# KiCad board qazikat.kicad_pcb (continued)
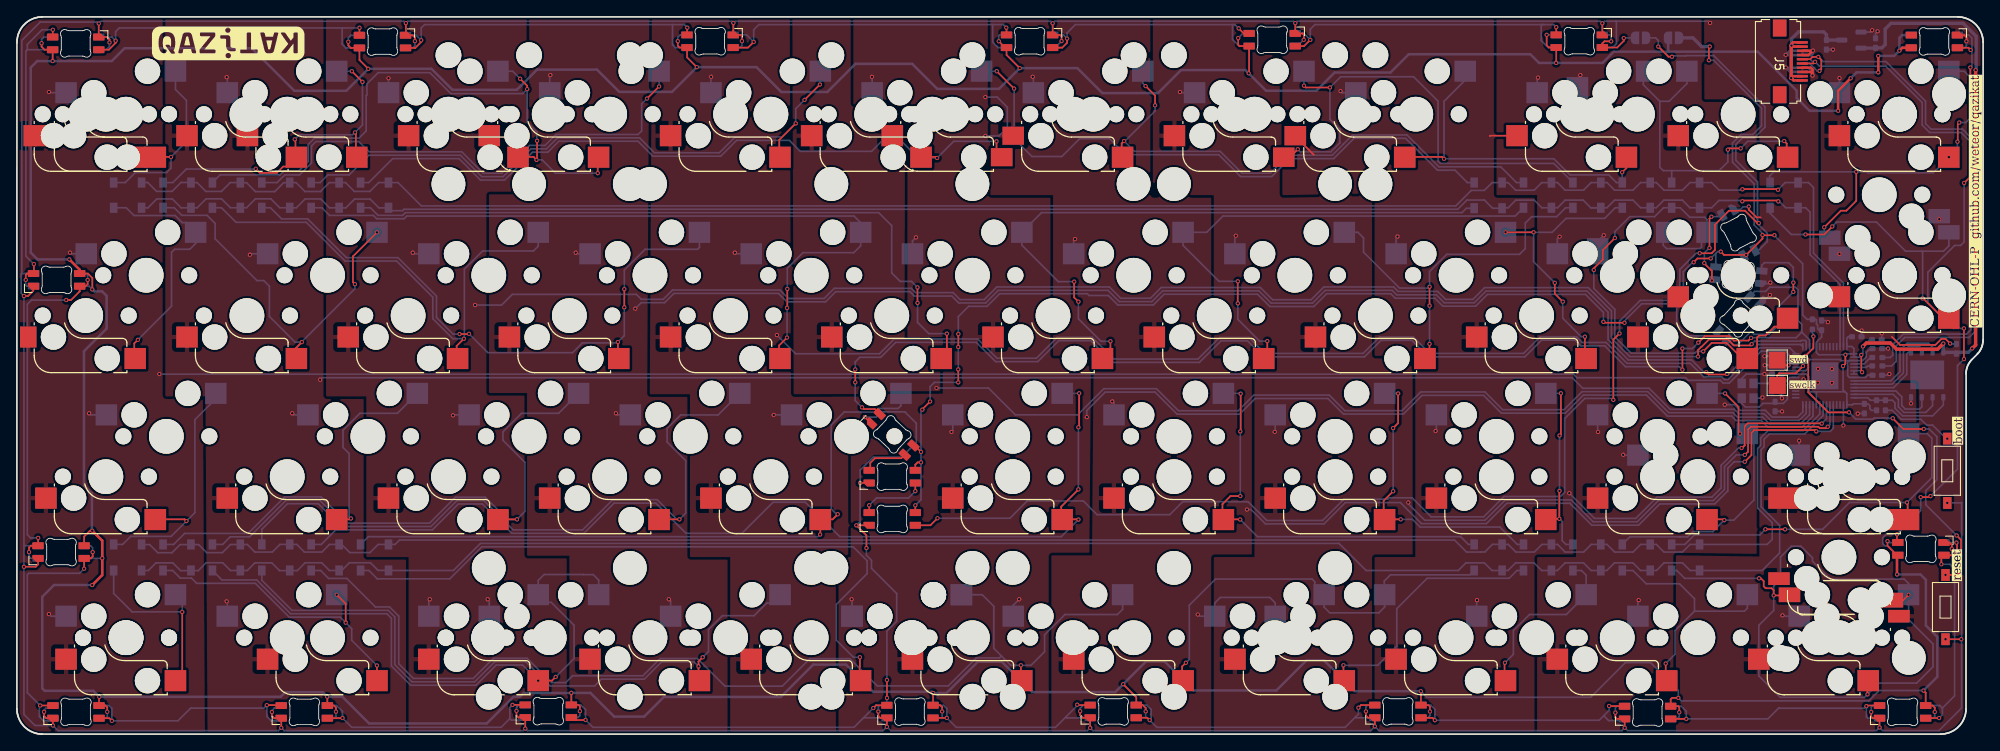
[diagram p0: board, top side]
## Routing (per net, layer and track width the routed paths; a pad name or vN(x,y) marks a point on that pad's centre or on a via; arc(x,y) is an arc through that point) (continued)
D4_3: length 83.4
  Top w0.2: v1(78.29,25.4) 75.77,25.4
  Bottom w0.2: D112.2 28.94,24.21 31.97,27.25 35.62,27.25 38.32,24.55 48.92,24.55 51.99,27.62 55.17,27.62 58.64,24.15 66.83,24.15 70.4,27.72 75.66,27.72 77.98,25.4 v1(78.29,25.4) 79.03,26.14 79.03,32.34 76.83,34.54 76.83,36.14 78.43,37.74 82.85,37.74 MX30.2
D4_4: length 81.3
  Top w0.2: 80.53,6.35 80.53,8 v1(80.54,8.01) 80.54,8.59 v1(81.03,9.08)
  Bottom w0.2: D4.2 28.94,18.2 32.5,14.63 43.87,14.63 44.65,13.86 44.65,8.22 46.69,6.18 54.08,6.18 56.47,8.57 60.12,8.57 63,5.69 68.26,5.69 69.07,6.5 74.13,6.5 76.17,8.54 80.01,8.54 v1(80.54,8.01) ; v1(81.03,9.08) 81.72,9.77 81.72,12.36 83.36,14 87.1,14 88.6,15.5 89.19,15.5 MX42.2
D5_1: length 75.8
  Top w0.2: 90.08,68.28 90.08,70.28 v1(92.03,72.23) ; v1(94.89,76.82) v1(93.07,75.01)
  Bottom w0.2: D137.2 35.84,65.23 36.74,66.13 39.26,66.13 41.59,68.46 52.4,68.46 54.93,65.93 57.46,65.93 60.75,69.22 62.58,69.22 63.87,70.52 73.56,70.52 73.57,70.52 75.34,68.75 83,68.75 84.87,70.62 90.42,70.62 v1(92.03,72.23) 92.03,73.97 v1(93.07,75.01) ; MX5.2 94.93,76.87 v1(94.89,76.82)
D5_2: length 89.5
  Top w0.2: 90.06,44.45 90.06,45.96 v1(91,46.9) ; v1(91,50.4) 91.03,50.43 v1(91.03,52.65)
  Bottom w0.2: D125.2 36.04,62.25 36.95,61.34 42.11,61.34 42.5,60.95 45.75,60.95 46.07,61.27 98.91,61.27 99.7,60.48 MX19.2 99.7,57.75 98.89,56.94 92.88,56.94 91.03,55.09 v1(91.03,52.65) ; v1(91,50.4) v1(91,46.9)
D5_3: length 80.6
  Top w0.2: v1(94.91,23.6) 94.93,23.62 MX69.2 ; 94.82,25.4 96.39,25.4 v1(96.99,26)
  Bottom w0.2: v1(96.99,26) 96.86,26 96.22,26.64 96.22,36.55 97.76,38.09 101.44,38.09 101.86,38.51 104.13,38.51 104.46,38.84 MX31.2 ; v1(94.91,23.6) 94.66,23.35 41.53,23.35 D113.2
D5_4: length 79.8
  Top w0.2: 99.58,6.35 99.58,7.99 99.6,8 v1(99.6,9.09)
  Bottom w0.2: D5.2 41.59,19.35 42.58,18.36 51.14,18.36 54.93,22.15 98.81,22.15 100.46,20.5 100.46,18.97 96.83,15.34 96.83,11.1 98.84,9.09 v1(99.6,9.09)
D6_1: length 87.9
  Top w0.2: 116.25,68.1 115.75,68.6 v1(115.75,70.1) ; 106.73,68.26 108.61,68.26 v1(108.73,68.14)
  Bottom w0.2: D6.2 41.57,65.23 44.4,68.06 52.24,68.06 54.77,65.53 57.62,65.53 60.91,68.82 62.74,68.82 64.04,70.11 73.39,70.11 75.15,68.35 83.17,68.35 85.04,70.22 91.27,70.22 92.57,68.92 100.99,68.92 102.38,70.31 104.34,70.31 106.51,68.14 v1(108.73,68.14) 110.7,70.11 115.74,70.11 v1(115.75,70.1)
D6_2: length 84.6
  Top w0.2: v1(106.42,51) 106.41,51.01 v1(106.41,52.83) ; 109.11,44.45 109.88,45.22 v1(109.88,47.36)
  Bottom w0.2: v1(109.88,47.36) 107.75,47.36 106.42,48.69 v1(106.42,51) ; v1(106.41,52.83) 105.7,53.54 104.37,53.54 103.37,54.54 103.37,60.13 101.83,61.67 45.9,61.67 45.58,61.35 42.67,61.35 41.77,62.25 D126.2
D7_1: length 72.6
  Top w0.2: v1(115.78,78.39) v1(117.83,76.34)
  Bottom w0.2: D139.2 171.39,65.23 169.93,66.69 167.86,66.69 164.09,70.46 157.99,70.46 155.59,68.06 150.4,68.06 148.28,65.94 144.59,65.94 142.01,68.52 131.01,68.52 129.12,70.41 125.57,70.41 123.47,68.31 119.94,68.31 117.83,70.42 v1(117.83,76.34) ; MX6.2 v1(115.78,78.39)
D7_2: length 76.6
  Top w0.2: v1(129.21,46.46) 129.21,45.5 128.16,44.45 ; v1(125.43,51.14) 124.93,51.64 v1(124.93,53.51)
  Bottom w0.2: v1(124.93,53.51) 123.06,53.51 118.75,57.82 MX20.2 ; D127.2 171.27,62.19 170.75,61.67 121.07,61.67 MX20.2 ; 118.38,59.71 MX20.2 ; v1(129.21,46.46) 128.09,46.46 125.43,49.12 v1(125.43,51.14)
D7_3: length 120.9
  Top w0.2: v1(125.43,25.37) 125.4,25.4 123.4,25.4 123.4,26.91 v1(125.43,28.94) ; v1(125.52,40.3) 125.52,36.37 v1(125.43,36.28)
  Bottom w0.2: D115.2 35.96,22.43 37.68,24.15 49.09,24.15 52.16,27.22 55,27.22 58.47,23.75 67,23.75 70.57,27.32 75.49,27.32 79.06,23.75 85.67,23.75 89.34,27.42 93.16,27.42 97.23,23.35 123.41,23.35 v1(125.43,25.37) ; v1(125.43,28.94) v1(125.43,36.28) ; v1(125.52,40.3) 125.52,40.3 MX32.2
D7_4: length 131.9
  Top w0.2: v1(118.63,8.14) 118.63,6.35 118.63,6.35
  Bottom w0.2: 116.33,9.24 115.43,10.14 115.43,15.12 114.07,16.48 MX49.2 ; 116.33,9.24 117.43,8.14 v1(118.63,8.14) 119.83,8.14 121.43,9.74 121.43,11.74 123.83,14.14 130.03,14.14 130.65,14.76 MX43.2 ; 116.33,9.24 116.1,9.01 113.36,9.01 110.05,5.7 101.66,5.7 98.44,8.92 93.69,8.92 90.44,5.67 83.67,5.67 80.4,8.94 76,8.94 73.96,6.9 65.66,6.9 64.85,6.09 63.17,6.09 60.29,8.97 56.31,8.97 53.92,6.58 46.85,6.58 45.12,8.31 45.12,13.95 44.04,15.03 42.36,15.03 38.98,18.41 36.83,18.41 35.89,19.35 D7.2
D8_1: length 65.4
  Top w0.2: 130.54,68.26 130.54,69.85 v1(130.83,70.14) ; v1(133.37,76.64) 134.49,75.52 v1(134.49,74.36)
  Bottom w0.2: D140.2 177.19,65.23 175.33,67.09 168.02,67.09 164.25,70.86 157.82,70.86 156.73,69.77 156.73,69.76 155.43,68.46 150.23,68.46 148.11,66.34 144.76,66.34 142.18,68.92 132.05,68.92 v1(130.83,70.14) 130.94,70.14 134.49,73.69 v1(134.49,74.36) ; MX7.2 133.03,76.98 v1(133.37,76.64)
D8_2: length 62.5
  Top w0.2: v1(147.75,46.47) 147.75,44.99 147.21,44.45 ; v1(144.26,53.55) 144.26,50.94 v1(144.27,50.94)
  Bottom w0.2: v1(147.75,46.47) 146.85,46.47 144.27,49.05 v1(144.27,50.94) ; D128.2 177.04,61.27 142.51,61.27 140.59,59.34 MX21.2 137.8,57.79 142.04,53.55 v1(144.26,53.55)
D8_3: length 49.5
  Top w0.2: v1(144.56,35.8) 144.6,35.84 v1(144.6,40.26) ; v1(144.55,25.38) 144.53,25.4 142.45,25.4 142.45,27.2 143.4,28.15 v1(144.56,28.15)
  Bottom w0.2: D116.2 171.51,22.43 170.59,23.35 146.58,23.35 v1(144.55,25.38) ; v1(144.56,28.15) v1(144.56,35.8) ; MX33.2 144.56,40.3 v1(144.6,40.26)
D8_4: length 50.9
  Top w0.2: v1(138.13,8.44) 137.68,7.99 137.68,6.35
  Bottom w0.2: v1(138.13,8.44) 138.53,8.84 138.53,15.24 141.63,18.34 153.03,18.34 153.36,18.01 153.36,17.59 MX50.2 154.47,15 155.13,14.34 160.93,14.34 161.61,15.02 MX44.2 161.57,16.52 161.57,18.1 162.3,18.83 171.67,18.83 D8.2
D9_1: length 58.1
  Top w0.2: 149.61,68.24 150.42,68.24 v1(151.35,69.17) ; v1(155.15,76.47) 152.3,76.47 v1(152.08,76.69)
  Bottom w0.2: MX8.2 v1(152.08,76.69) ; D141.2 181.6,67.49 168.19,67.49 167.93,67.75 167.93,74.85 165.04,77.74 156.42,77.74 v1(155.15,76.47) 155.15,72.72 156.33,71.54 156.33,69.93 155.26,68.86 151.66,68.86 v1(151.35,69.17)
D9_2: length 46.2
  Top w0.2: 166.26,44.45 166.92,45.11 v1(166.92,46.15) ; v1(166.92,52.91) v1(166.92,50.67)
  Bottom w0.2: MX22.2 158.46,59.34 159.12,58.68 159.12,57 163.37,52.75 166.76,52.75 v1(166.92,52.91) 166.92,54.71 168.95,56.74 177.55,56.74 178.23,57.42 178.23,60.43 179,61.2 181.94,61.2 183,62.25 D129.2 ; v1(166.92,50.67) v1(166.92,46.15)
D9_3: length 35
  Top w0.2: v1(162.62,28.72) 161.5,27.6 161.5,25.4 v1(163.51,25.4) ; v1(162.62,36.19) 163.21,36.78 v1(163.21,40.28)
  Bottom w0.2: v1(163.51,25.4) 164.9,25.4 165.8,24.49 175.23,24.49 177.29,22.43 D117.2 ; v1(162.62,28.72) v1(162.62,36.19) ; v1(163.21,40.28) 163.19,40.3 MX34.2
D9_4: length 30.3
  Top w0.2: v1(156.75,8.14) 156.75,6.36
  Bottom w0.2: D9.2 177.25,19.35 176.33,18.43 166.64,18.43 163.05,14.84 163.05,10.39 160.8,8.14 v1(156.75,8.14)
D10_1: length 41.7
  Top w0.2: MX96.2 190.18,66.94 v1(189.68,66.44) ; v1(168.63,68.04) 168.41,68.26 163.88,68.26
  Bottom w0.2: v1(189.68,66.44) 189.68,65.24 D142.2 189,65.23 188.1,66.13 183.53,66.13 181.62,68.04 v1(168.63,68.04) 168.63,74.84 171.13,77.34 MX9.2
D10_2: length 32.7
  Top w0.2: v1(182.66,51.14) 181.72,52.08 v1(181.72,53.37) ; v1(179.21,59.34) v1(175.9,59.34) ; 185.31,44.45 185.28,44.48 v1(185.28,47)
  Bottom w0.2: D130.2 188.87,62.25 187.61,60.99 183.05,60.99 181.41,59.34 v1(179.21,59.34) 179.21,55.88 v1(181.72,53.37) ; v1(185.28,47) 184.84,47 182.66,49.18 v1(182.66,51.14)
D10_3: length 22.5
  Top w0.2: v1(182.44,40.3) 182.44,35.47 v1(182.28,35.31) ; v1(182.28,28.77) 182.26,28.75 v1(182.26,25.46) 180.61,25.46
  Bottom w0.2: D118.2 183.04,22.43 182.59,22.88 182.59,25.13 v1(182.26,25.46) ; v1(182.44,40.3) 182.44,40.3 MX35.2 ; v1(182.28,28.77) v1(182.28,35.31)
D10_4: length 20.8
  Top w0.2: 175.78,6.35 175.78,8.39 v1(175.83,8.44)
  Bottom w0.2: D10.2 184.87,19.35 185.42,18.8 MX45.2 183.08,14.14 178.73,14.14 176.83,12.24 176.83,9.44 v1(175.83,8.44)
D11_1: length 38.3
  Top w0.2: 209.12,68.26 209.12,69.85 v1(208.83,70.14) ; v1(202.17,69.12) 202.32,69.27 v1(203.68,69.27)
  Bottom w0.2: MX11.2 197.33,76.94 195.23,74.84 194.13,74.84 ; v1(208.83,70.14) 208.8,70.11 204.52,70.11 v1(203.68,69.27) ; D143.2 195.53,66.62 195.55,66.64 ; 194.13,74.84 192.18,76.79 192.18,78.39 ; 194.13,74.84 194.13,67.04 194.53,66.64 195.55,66.64 ; 195.55,66.64 201.14,66.64 202.17,67.67 v1(202.17,69.12)
D11_2: length 62
  Top w0.2: v1(188.82,58.67) 187.4,57.25 187.4,56.15 186.33,55.08 v1(186.33,54.89) ; 209.12,49.21 208.1,48.19 207.66,48.19 206.62,47.14 205.86,47.14 205.62,46.9 205.62,45.71 204.36,44.45 203.84,44.45 202.02,46.27 200.27,46.27 v1(199.26,45.26)
  Bottom w0.2: v1(186.33,54.89) 186.33,52.72 188.82,50.23 188.82,46.98 190.75,45.05 198.27,45.05 198.48,45.26 v1(199.26,45.26) ; v1(188.82,58.67) 188.82,59.43 190.59,61.2 193.52,61.2 194.57,62.25 D131.2 196.54,62.25 197.66,61.13 199.43,61.13 199.71,60.85 MX25.2 199.06,58.7 199.06,57.59 198.89,57.42 194.92,57.42 194.53,57.81 194.53,59.37
D11_3: length 35.7
  Top w0.2: v1(201.84,40.29) 203.43,38.7 203.43,35.71 v1(203.61,35.53) ; 199.6,25.4 201.65,25.4 v1(201.75,25.3)
  Bottom w0.2: v1(201.84,40.29) 201.84,40.3 MX36.2 ; MX37.2 205.25,34.75 205.25,27.69 202.86,25.3 v1(201.75,25.3) 201.74,25.3 200.39,23.95 198.04,23.95 197.41,23.32 196.52,23.32 196.51,23.33 190.59,23.33 D119.2
D11_4: length 29
  Top w0.2: 194.83,6.35 194.83,6.35 v1(194.83,8.34)
  Bottom w0.2: MX46.2 204.47,14.88 204.13,14.54 198.23,14.54 ; 198.23,14.54 198.23,16.01 196.46,17.78 192.52,17.78 190.95,19.35 D11.2 ; 198.23,14.54 195.93,12.24 195.93,9.44 v1(194.83,8.34)
D12_1: length 47
  Top w0.2: v1(229.3,70.06) 229.34,70.1 229.34,72.15 v1(229.52,72.33) ; v1(213.56,59.94) 215.52,61.9 216.17,61.9 217.34,63.07 v1(217.34,66.5)
  Bottom w0.2: MX12.2 230.09,78.39 231.04,77.44 231.04,73.08 230.29,72.33 v1(229.52,72.33) ; MX14.2 213.56,59.37 v1(213.56,59.94) ; 207.11,65.17 207.11,66.01 207.6,66.5 218.61,66.5 218.73,66.38 226.43,66.38 v1(228.28,68.23) 229.3,69.25 v1(229.3,70.06)
D12_2: length 36.3
  Top w0.2: v1(211.34,59.09) 213.57,59.09 v1(214.51,60.03) ; 228.17,49.21 227.57,49.21 225.26,51.52 v1(225.18,51.52)
  Bottom w0.2: 225.07,57.11 227.66,57.11 228.28,57.74 MX26.2 ; 225.07,57.11 223.16,57.11 219.72,60.56 215.04,60.56 v1(214.51,60.03) ; 225.07,57.11 225.18,57 v1(225.18,51.52) ; v1(211.34,59.09) 209.67,59.09 207.16,61.6 D132.2
D12_3: length 43.7
  Top w0.2: v1(223.33,27.39) 223.41,27.31 223.41,25.4 ; v1(206.61,24.22) v1(208.93,24.22)
  Bottom w0.2: v1(206.61,24.22) 205.94,23.55 198.21,23.55 197.09,22.43 D120.2 ; MX38.2 225.74,35.53 226.27,35 226.27,30.33 v1(223.33,27.39) 216.54,27.39 213.37,24.22 v1(208.93,24.22)
D12_4: length 86.7
  Top w0.2: v1(205.86,18.42) 206.07,18.42 206.41,18.08 206.41,17.48 206.64,17.25 207.34,17.25 207.59,17 v1(207.59,16.4) 209.24,16.4 209.34,16.51 ; v1(223.52,16.48) 222.86,15.82 222.17,15.82 221.75,15.4 ; v1(218.67,4.7) 218.67,6.32
  Bottom w0.2: D108.2 196.14,19.35 197.07,18.42 v1(205.86,18.42) ; 210.8,22.22 212.17,20.85 212.17,20.44 214.28,18.33 223.01,18.33 223.52,17.82 v1(223.52,16.48) 223.52,13.55 226.41,10.66 226.41,7.96 224.48,6.03 220,6.03 v1(218.67,4.7) 218.32,4.35 208.36,4.35 205.83,6.88 205.83,12.86 207.59,14.62 v1(207.59,16.4) 207.59,17.49 208.39,18.29 208.39,20.95 209.66,22.22 210.8,22.22
D+: length 66.6
  Top w0.2: 210.98,79.82 211.9,79.82 212.17,80.09 v1(212.86,80.09) 213.21,79.74 213.21,78.65 v1(213,78.44)
  Bottom w0.2: v1(213,78.44) 212.7,78.44 211.81,79.33 210.98,79.33 ; v1(212.86,80.09) 213.41,79.54 220.85,79.54 225.53,74.86 225.53,72.2 226.18,71.55 229.9,71.55 231.31,70.14 231.31,47.55 230.67,46.91 223.07,46.91 222.05,45.89 222.05,44.07 221.52,43.54 R3.2
D-: length 61.8
  Top w0.2: 210.98,79.32 212.29,79.32 v1(212.48,79.51)
  Bottom w0.2: R4.2 221.37,44.54 221.65,44.82 221.65,46.06 222.9,47.31 230.38,47.31 230.91,47.84 230.91,69.97 229.73,71.15 226.01,71.15 225.13,72.03 225.13,74.69 220.83,78.99 212.99,78.99 v1(212.48,79.51) 212.2,79.51 211.88,79.83 210.98,79.83
LED_OUT_0: length 7.9
  Top w0.2: v1(188.38,81.93) 187.58,81.93 187.34,81.69 D47.3 189.09,81.2 189.87,81.98 v1(189.87,82.31)
  Bottom w0.2: v1(189.87,82.31) 189.9,82.34 191.21,82.34 ; D101.3 188.22,82.7 188.38,82.54 v1(188.38,81.93)
LED_OUT_1: length 40.1
  Top w0.2: D48.3 152.09,81.37 v1(152.83,82.11) ; v1(181.89,83.61) 181.89,83.61 D47.2
  Bottom w0.2: 180.45,83.91 181.59,83.91 v1(181.89,83.61) ; 180.45,83.91 153.37,83.91 152.83,83.37 v1(152.83,82.11) 152.07,82.87 D102.3 ; 180.45,83.91 180.11,83.91 180.11,82.03 180.94,81.2 D101.2
LED_OUT_2: length 31.4
  Top w0.2: v1(144.37,83.46) 144.96,82.87 D48.2 ; v1(124.09,82.26) 124.09,81.76 123.52,81.19 D49.3
  Bottom w0.2: D102.2 144.42,81.37 143.64,82.15 143.64,83.91 ; 143.64,83.91 143.92,83.91 v1(144.37,83.46) ; 143.64,83.91 125.07,83.91 124.09,82.93 v1(124.09,82.26) 123.66,82.69 D103.3
LED_OUT_3: length 42
  Top w0.2: D50.3 86.39,81.19 v1(87.06,81.86) ; v1(116.91,83.55) 116.94,83.52 D49.2
  Bottom w0.2: D103.2 115.94,81.19 115.3,81.83 115.3,83.91 ; 115.3,83.91 87.67,83.91 87.06,83.3 v1(87.06,81.86) 86.23,82.69 D104.3 ; 115.3,83.91 116.54,83.91 v1(116.91,83.55)
LED_OUT_4: length 42.8
  Top w0.2: D51.3 47.07,81.15 47.77,81.85 v1(47.77,82.06) ; D50.2 79.19,83.53 v1(79.21,83.55)
  Bottom w0.2: v1(79.21,83.55) 78.85,83.91 77.47,83.91 ; 77.47,83.91 48.17,83.91 47.77,83.51 v1(47.77,82.06) 47.18,82.65 D105.3 ; 77.47,83.91 77.47,81.52 77.8,81.19 D104.2
LED_OUT_5: length 39.9
  Top w0.2: v1(11.66,82) 11.66,81.74 10.86,80.94 D52.3 ; v1(40.48,83.54) 40.47,83.53 D51.2
  Bottom w0.2: v1(40.48,83.54) 40.45,83.51 38.43,83.51 ; D105.2 38.87,81.15 38.43,81.59 38.43,83.51 ; 38.43,83.51 12.09,83.51 11.66,83.08 v1(11.66,82) 11.22,82.44 D106.3
LED_OUT_6: length 38.9
  Top w0.2: D52.2 4.24,82.46 v1(4.24,83.3) ; 1.93,54.47 1.18,54.47 1.05,54.34 v1(1.05,53.72) ; 1.36,54.46 1.92,54.46 2,54.54 v1(2,55.59)
  Bottom w0.2: 1.23,80.94 1.23,81.57 2.96,83.3 v1(4.24,83.3) ; 1.23,80.94 1.06,80.77 1.06,56.53 v1(2,55.59) ; 1.23,80.94 D106.2 ; v1(1.05,53.72) 1.05,53.1 1.18,52.97 1.93,52.97
LED_OUT_7: length 43.6
  Top w0.2: D12.2 7.41,52.36 6.39,51.34 v1(5.83,51.34) ; v1(2.51,23.2) 2.51,22.3 2.5,22.28 1.65,22.28 1.43,22.06 v1(1.43,21.53) ; 7.38,52.97 8.12,52.97 8.36,53.21 v1(8.36,53.71)
  Bottom w0.2: v1(8.36,53.71) 8.36,54.25 8.14,54.47 7.38,54.47 ; v1(2.51,23.2) 1.61,23.2 1.23,23.58 1.23,50.83 1.73,51.33 5.83,51.33 ; v1(1.43,21.53) 1.43,20.99 1.64,20.78 2.5,20.78
LED_OUT_8: length 32.2
  Top w0.2: v1(8.95,21.52) 8.95,21 8.73,20.78 D13.2 7.95,19.56 v1(7.94,19.56) ; v1(2.75,3.38) D14.3
  Bottom w0.2: D24.2 8.71,22.28 8.95,22.04 v1(8.95,21.52) ; 4.25,1.58 3.15,1.58 2.66,2.07 2.66,3.29 v1(2.75,3.38) 1.23,4.9 1.23,18.86 1.39,19.02 7.4,19.02 v1(7.94,19.56)
LED_OUT_9: length 28.8
  Top w0.2: D14.2 10.91,1.88 v1(11.22,1.57) ; v1(29.53,3.42) 31.19,3.42
  Bottom w0.2: D26.2 10.88,3.38 11.22,3.04 v1(11.22,1.57) 19.03,1.57 20.53,3.07 29.18,3.07 v1(29.53,3.42) 29.54,3.41 29.54,2.08 30.04,1.58 31.23,1.58
LED_OUT_10: length 30.5
  Top w0.2: v1(58.56,3.45) 58.57,3.46 D16.3 ; D15.2 38.45,1.88 v1(38.47,1.9)
  Bottom w0.2: 58.25,1.83 57.21,0.8 39.57,0.8 v1(38.47,1.9) 38.47,2.69 37.78,3.38 36.69,3.38 ; 58.25,1.83 58.25,3.13 v1(58.56,3.45) ; 58.25,1.83 58.42,1.66 60.06,1.66
LED_OUT_11: length 44.6
  Top w0.2: D17.3 101.52,3.41 v1(101.19,3.08) ; v1(67.19,1.67) 67.18,1.66 65.52,1.66
  Bottom w0.2: 100.03,1.92 v1(101.19,3.08) ; 100.03,1.92 98.91,0.8 68.06,0.8 v1(67.19,1.67) 67.19,2.9 66.63,3.46 65.52,3.46 ; 100.03,1.92 102.78,1.92 102.8,1.91
LED_OUT_12: length 26
  Top w0.2: D18.3 125.34,3.43 v1(125.29,3.48) ; D17.2 109.87,1.91 v1(109.88,1.91)
  Bottom w0.2: 123.93,2 124.02,1.91 126.81,1.91 ; 123.93,2 125.29,3.37 v1(125.29,3.48) ; 123.93,2 122.72,0.8 110.99,0.8 v1(109.88,1.91) 109.88,3.01 109.48,3.41 108.25,3.41
LED_OUT_13: length 35.8
  Top w0.2: v1(158.52,3.12) 158.83,3.43 D19.3 ; 132.27,1.93 133.57,1.93 v1(133.85,1.65)
  Bottom w0.2: D34.3 158.26,1.93 158.17,2.02 ; v1(158.52,3.12) 158.52,2.37 158.17,2.02 ; D33.2 133.5,3.43 134.02,2.91 134.02,1.82 v1(133.85,1.65) 134.7,0.8 156.95,0.8 158.17,2.02
LED_OUT_14: length 31
  Top w0.2: v1(188.14,3.32) 188.16,3.3 D20.3 ; D19.2 165.91,1.92 167.27,1.92 v1(167.55,1.64)
  Bottom w0.2: 187.5,2.17 188.14,2.81 v1(188.14,3.32) ; 187.5,2.17 188.08,1.6 189.98,1.6 ; 187.5,2.17 186.97,1.64 v1(167.55,1.64) 167.55,2.93 167.05,3.43 D34.2
LED_OUT_15: length 31.2
  Top w0.2: v1(197.26,1.8) D20.2 ; D21.3 218.62,3.38 v1(218.54,3.3)
  Bottom w0.2: D35.2 196.66,3.3 197.26,2.7 v1(197.26,1.8) 206.9,1.8 208.2,3.1 208.24,3.06 218.3,3.06 v1(218.54,3.3) 218.54,2.04 218.7,1.88 D25.3
LED_OUT_16: length 29.6
  Top w0.2: v1(229.18,22.64) 229.26,22.56 229.26,21.53 228.88,21.15 227.6,21.15 227.4,20.95 v1(227.4,20.09) ; v1(227.13,1.9) 227.12,1.89 225.56,1.89 D21.2
  Bottom w0.2: 227.52,3.08 227.52,2.29 v1(227.13,1.9) ; 227.52,3.08 228.96,4.52 228.96,19.55 228.42,20.09 v1(227.4,20.09) ; 227.52,3.08 227.22,3.38 D25.2 ; v1(229.18,22.64) 228.93,22.64 228.92,22.65 227.6,22.65
LED_OUT_17: length 77.1
  Top w0.2: v1(222.16,23.63) 222.16,23.62 222.16,22.65 ; v1(230.09,65.18) 230.83,65.92 v1(230.83,78.84) ; v1(230.07,44.35) 230.07,47.97 v1(230.06,47.98) ; D36.3 230.6,81.17 v1(230.86,80.91) ; v1(224.96,28.02) 225.99,28.02 v1(226.11,28.14)
  Bottom w0.2: v1(230.09,65.18) 230.09,58.2 229.68,57.79 228.97,57.79 225.8,54.62 225.8,51 228.82,47.98 v1(230.06,47.98) ; 222.16,21.15 221.05,22.25 220.74,22.25 220.48,22.51 220.48,23.22 220.89,23.63 v1(222.16,23.63) 224.96,26.43 v1(224.96,28.02) ; v1(230.07,44.35) 229.3,43.58 229.3,31.33 v1(226.11,28.14) ; v1(230.83,78.84) 231.01,79.02 231.01,80.91 ; 229.29,82.67 230.66,82.67 231.01,82.32 231.01,80.91 ; 231.01,80.91 v1(230.86,80.91)
LED_TOP_OUT: length 174.2
  Top w0.2: v1(195.57,80.11) 195.16,80.11 v1(193.96,81.31) ; v1(108.78,25.53) 107.95,24.7 D99.2 ; v1(188.64,39.53) 188.64,46.65 v1(189.37,47.38) ; v1(198.84,56.87) 200.25,56.87 200.65,57.27 200.65,60.25 202.3,61.9 204.2,61.9 205.67,60.43 v1(205.82,60.43)
  Bottom w0.2: v1(195.57,80.11) 195.67,80.21 197.17,80.21 197.21,80.25 200.5,80.25 206.55,74.2 206.55,71.77 205.29,70.51 203.89,70.51 203.12,69.74 203.12,67.86 205.67,65.31 205.67,60.38 206.49,59.56 206.5,59.56 206.83,59.23 206.83,58.25 205.82,57.24 D43.2 ; v1(193.96,81.31) 193.96,82.03 193.64,82.34 JP1.2 ; v1(189.37,47.38) 189.37,48.84 191.82,51.29 195.9,51.29 196.5,51.89 196.5,54.95 198.42,56.87 v1(198.84,56.87) ; v1(108.78,25.53) 117.34,25.53 119.47,27.66 119.56,27.57 126.01,27.57 127.63,25.95 136.22,25.95 137.75,27.48 145.48,27.48 147.69,25.26 154.29,25.26 156.8,27.78 161.97,27.78 162.13,27.94 164.86,27.94 167.11,25.69 173.31,25.69 175.72,28.1 182.39,28.1 182.89,28.6 182.89,37.32 185.27,39.7 188.47,39.7 v1(188.64,39.53)
QSPI_SCLK: length 11.9
  Bottom w0.2: U1.6 225.09,45.57 224.82,45.84 223.52,45.84 222.91,45.23 222.91,42.7 221.58,41.38 U5.52
QSPI_SD0: length 9.9
  Bottom w0.2: U1.5 223.51,45.15 223.31,44.95 223.31,42.54 221.75,40.98 U5.53
QSPI_SD1: length 12
  Bottom w0.2: U5.55 221.7,40.18 222.32,39.56 222.32,38.69 222.97,38.04 225.56,38.04 226.36,38.84 U1.2
QSPI_SD2: length 10.7
  Bottom w0.2: U1.3 225.09,38.71 224.82,38.44 223.14,38.44 222.72,38.86 222.72,39.89 222.03,40.58 U5.54
QSPI_SD3: length 13.4
  Bottom w0.2: U5.51 221.42,41.78 222.51,42.87 222.51,45.4 223.35,46.24 225.87,46.24 226.36,45.75 U1.7
QSPI_SS: length 13.3
  Bottom w0.2: U1.1 227.63,38.91 226.36,37.64 222.81,37.64 221.92,38.53 221.92,39.18 221.61,39.49 R5.1 219.01,39.49 218.72,39.78 U5.56
RGB: length 147.1
  Top w0.2: v1(99.86,38.64) 100.06,38.44 101.36,38.44 D97.3 ; v1(99.06,41.6) v1(99.06,43.13) ; v1(196.8,43.09) v1(196.8,45.6) ; v1(204.91,46.86) 204.6,46.54 202.88,46.54 202.35,47.07 199.45,47.07 v1(198.69,46.3)
  Bottom w0.2: v1(196.8,45.6) 197.98,45.6 v1(198.69,46.3) ; 210.95,47.49 210.91,47.54 210.91,48.46 210.46,48.91 210.46,52.55 210.16,52.85 207.12,52.85 206.62,52.35 205.33,52.35 D45.3 ; 210.95,47.49 210.85,47.49 210.24,46.88 204.94,46.88 v1(204.91,46.86) ; 210.95,47.49 211.83,46.62 U5.31 ; v1(196.8,43.09) 196.44,43.45 190.08,43.45 187.62,45.92 184.79,45.92 184.12,46.59 180.16,46.59 178.19,44.62 166.78,44.62 164.83,46.57 161.19,46.57 159.24,44.62 147.3,44.62 145.42,46.5 142.27,46.5 139.73,43.96 129.46,43.96 126.89,46.53 123.11,46.53 120.63,44.05 115.64,44.05 113.36,46.33 103.84,46.33 102.07,44.56 99.6,44.56 99.06,44.02 v1(99.06,43.13) ; v1(99.86,38.64) 99.05,39.45 99.05,41.59 v1(99.06,41.6)
row_1: length 228.5
  Top w0.2: 203.89,64.34 204.01,64.46 208.02,64.46 v1(208.1,64.38)
  Bottom w0.2: D137.1 38.82,65.23 39.87,64.18 41.7,64.18 42.75,65.23 D6.1 45.03,65.23 47.79,62.47 170.02,62.47 171.84,64.29 171.84,64.3 173.4,64.3 174.33,65.23 D139.1 ; 32.23,65.22 32.98,65.22 34.03,64.17 35.86,64.17 36.91,65.22 38.07,65.22 ; 181.31,65.23 182.04,65.23 182.94,64.33 185.12,64.33 186.02,65.23 187.15,65.23 ; D142.1 193.72,65.23 194.62,64.33 196.8,64.33 197.7,65.23 D143.1 200.24,65.23 201.13,64.34 203.89,64.34 ; 20.54,65.23 21.29,65.23 22.34,64.18 24.16,64.18 25.22,65.23 26.37,65.23 ; 175.47,65.22 176.2,65.22 177.1,64.32 179.28,64.32 180.18,65.22 181.31,65.22 ; U5.41 215.83,53.34 212.29,56.88 212.29,64.64 211.7,65.23 D144.1 208.95,65.23 v1(208.1,64.38) ; 32.22,65.21 31.51,65.21 30.46,64.16 28.19,64.16 27.13,65.21 26.39,65.21 ; 14.7,65.24 15.45,65.24 16.5,64.19 18.33,64.19 19.38,65.24 20.54,65.24 ; 193,65.23 191.87,65.23 190.97,64.33 188.79,64.33 187.89,65.23 D141.1
  vias: v1(203.89,64.43)
row_2: length 225.5
  Top w0.2: 203.88,63.11 208.13,63.11
  Bottom w0.2: 32.26,62.24 33.01,62.24 34.06,63.29 35.89,63.29 36.94,62.24 38.1,62.24 ; 187.15,62.25 187.88,62.25 188.78,63.15 190.96,63.15 191.86,62.25 192.99,62.25 ; 14.73,62.24 15.48,62.24 16.53,63.29 18.36,63.29 19.41,62.24 20.57,62.24 ; 175.48,62.25 176.21,62.25 177.11,63.15 179.29,63.15 180.19,62.25 181.32,62.25 ; 20.55,62.25 21.3,62.25 22.35,63.3 24.18,63.3 25.23,62.25 26.39,62.25 ; 26.38,62.25 27.13,62.25 28.18,63.3 30.01,63.3 31.06,62.25 32.22,62.25 ; 198.82,62.25 197.69,62.25 196.79,63.15 194.61,63.15 193.71,62.25 192.98,62.25 ; D127.1 174.37,62.19 173.4,63.16 171.34,63.16 170.25,62.07 45.73,62.07 45.56,61.9 44.26,61.9 D126.1 ; D131.1 200.26,62.25 201.12,63.11 203.88,63.11 ; 185.97,62.25 D129.1 ; 185.97,62.25 187.59,62.25 ; 185.97,62.25 185.07,63.15 182.95,63.15 182.05,62.25 D128.1 ; 38.1,62.23 38.85,62.23 39.9,63.28 41.73,63.28 42.78,62.23 43.94,62.23 ; U5.40 215.43,53.16 211.89,56.7 211.89,61.72 211.36,62.25 D132.1 209.01,62.25 208.14,63.12
  vias: v1(203.88,63.01) v1(208.14,63)
row_3: length 223.1
  Bottom w0.2: 181.33,22.43 180.2,22.43 179.3,21.53 177.12,21.53 176.22,22.43 175.49,22.43 ; 193,22.43 191.87,22.43 190.97,21.53 188.79,21.53 187.89,22.43 187.16,22.43 ; 43.92,22.43 42.68,22.43 41.72,21.47 39.33,21.47 38.37,22.43 36.93,22.43 36.03,21.53 33.97,21.53 33.07,22.43 D112.1 31.08,22.43 30.18,21.53 28.12,21.53 27.23,22.42 25.24,22.42 24.28,21.46 22.42,21.46 21.47,22.41 19.28,22.41 18.32,21.45 16.65,21.45 15.69,22.41 14.74,22.41 ; D118.1 186.03,22.43 185.13,21.53 182.95,21.53 182.05,22.43 D117.1 ; 175.49,22.44 174.36,22.44 173.46,21.54 172.94,21.54 172.93,21.53 171.29,21.53 169.87,22.95 45.21,22.95 44.69,22.43 D113.1 ; D119.1 193.72,22.43 194.62,21.53 196.8,21.53 197.7,22.43 D120.1 206.81,22.43 207.41,23.03 207.41,25 205.7,26.71 205.7,33.79 206.05,34.14 206.05,35.03 206.91,35.89 211.09,35.89 213.03,37.84 U5.9
row_4: length 228.1
  Bottom w0.2: D3.1 25.23,19.35 24.32,20.26 22.36,20.26 21.43,19.33 19.34,19.33 18.42,20.25 16.43,20.25 15.53,19.35 14.74,19.35 ; 38.38,19.36 39.28,20.26 41.77,20.26 42.67,19.36 43.91,19.36 ; 198.84,19.35 197.71,19.35 196.81,20.25 194.63,20.25 193.73,19.35 193,19.35 ; 26.43,19.35 27.22,19.35 28.12,20.25 30.11,20.25 31.03,19.33 33.12,19.33 34.05,20.26 36.01,20.26 36.92,19.35 38.09,19.35 ; D5.1 51.57,19.35 54.77,22.55 156.22,22.55 159.42,19.35 170.32,19.35 171.22,20.25 173.4,20.25 174.3,19.35 175.43,19.35 ; U5.8 213.43,37.67 211.25,35.5 207.08,35.5 206.45,34.86 206.45,33.97 206.1,33.62 206.1,26.88 208.29,24.69 208.29,21.42 206.22,19.35 D108.1 ; 181.3,19.35 182.03,19.35 182.93,20.25 185.11,20.25 186.01,19.35 187.14,19.35 ; 181.3,19.35 180.17,19.35 179.27,20.25 177.09,20.25 176.19,19.35 175.46,19.35 ; 192.98,19.35 191.85,19.35 190.95,20.25 188.77,20.25 187.87,19.35 187.14,19.35
Net-(C2-Pad2): length 3.2
  Bottom w0.2: C2.2 207.36,40.49 R2.1 207.32,41.47 Y1.3
Net-(D43-DIN): length 9.5
  Top w0.2: v1(200.28,53.65) 200.28,54.77 199.39,55.66 v1(199.39,55.7) ; v1(200.23,61.19) 200,60.96 v1(200,57.49)
  Bottom w0.2: v1(200.23,61.19) 201.31,61.19 201.42,61.29 ; v1(200,57.49) 199.98,57.49 199.39,56.9 v1(199.39,55.7)
Net-(D44-DIN): length 19.8
  Top w0.2: v1(209.91,53.4) v1(209.91,52.3)
  Bottom w0.2: v1(209.91,52.3) 208.18,50.57 208.18,48.41 207.05,47.28 205.27,47.28 205.01,47.54 204.82,47.54 203.29,46.01 202.8,46.01 D45.2 ; v1(209.91,53.4) 209.91,55.19 209.35,55.75 206.49,55.75 206.17,55.43 206.17,54.77
Net-(D97-DOUT): length 5.4
  Top w0.2: D98.3 100.83,31.32 100.83,32.06 101.4,32.63 104.5,32.63 D97.2
Net-(D98-DOUT): length 8
  Top w0.2: D98.2 106.16,28.74 v1(106.16,28.73) ; v1(100.71,27.06) 100.71,26.2 D99.3
  Bottom w0.2: v1(100.71,27.06) 101.57,27.92 105.35,27.92 v1(106.16,28.73)
Net-(J1-Pin_1): length 2.5
  Top w0.2: 208.02,44.23 208.63,43.62 209.34,43.62
  Bottom w0.2: U5.25 209.5,43.78 209.34,43.62
  vias: v1(209.33,43.62)
Net-(J3-Pin_1): length 5.7
  Top w0.2: v1(211.05,43.53) 210.18,42.66 208.24,42.66 208.01,42.43 208.01,41.19
  Bottom w0.2: v1(211.05,43.53) 210.9,43.38 U5.24
Net-(R5-Pad2): length 8.7
  Bottom w0.2: R5.2 221.59,38.29 222.64,37.24 224.96,37.24 225.66,36.54 226.36,36.54 227.96,34.94 v1(228.1,34.94)
Net-(U5-RUN): length 48.9
  Top w0.2: v1(227.89,18.82) 229.25,18.82 229.73,19.3 229.73,22.97 229.21,23.49 v1(229.2,23.49) ; v1(212.28,47.03) 212.28,45.66 v1(211.34,44.72) 211.67,44.39 211.67,40.43 214.05,38.04 216.47,38.04 v1(216.48,38.05) ; v1(225.32,36.08) 222.92,36.08 v1(221.65,37.35)
  Bottom w0.2: v1(229.2,23.49) 225.56,27.13 225.56,28.78 226.87,30.09 226.87,35.17 225.96,36.08 v1(225.32,36.08) ; 208.56,44.67 209.05,44.18 U5.26 210.8,44.18 v1(211.34,44.72) ; R1.2 212.16,47.41 212.28,47.29 v1(212.28,47.03) ; v1(216.48,38.05) 217.28,37.25 219.33,37.25 219.45,37.38 221.12,37.38 221.15,37.35 v1(221.65,37.35)
Net-(U5-USB_DM): length 2.4
  Bottom w0.2: U5.46 218.27,43.78 218.83,44.34 219.23,44.34
Net-(U5-USB_DP): length 2.2
  Bottom w0.2: U5.47 218.53,43.38 218.69,43.54 R3.1
Net-(U5-XIN): length 9.5
  Bottom w0.2: U5.20 209.66,41.78 209.22,41.33 209.22,39.59 208.73,39.11 206.3,39.11 205.88,38.69 204.24,38.69 203.81,39.12 Y1.1
Net-(U5-XOUT): length 1.9
  Bottom w0.2: R2.2 208.84,41.52 209.49,42.18 U5.21

## Copper pours and planes (outline as drawn; the poured copper is in the pictures)
GND on Top: 199.36,85.28 232.58,85.28 232.58,79.01 212.86,79.11 212.86,49.37 221.92,49.41 221.87,41.53 224.41,41.52 224.46,36.86 206.69,36.88 206.01,36.88 205.87,75.07 199.39,75.07
(no net) on Bottom: 53.49,37.27 53.51,37.17 53.54,37.09 53.56,37 53.58,36.92 53.6,36.84 53.63,36.77 53.65,36.71 53.68,36.64 53.71,36.58 53.73,36.53 53.76,36.47 53.79,36.43 53.81,36.38 53.84,36.34 53.87,36.31 53.9,36.28 53.93,36.25 53.97,36.22 54.01,36.2 54.04,36.17 54.08,36.15 54.13,36.13 54.17,36.12 54.21,36.1 54.26,36.09 54.31,36.08 54.36,36.07 54.41,36.06 54.47,36.05 54.52,36.05 54.58,36.04 54.64,36.04 54.88,36.04 54.94,36.04 55,36.05 55.05,36.05 55.11,36.06 55.16,36.07 55.21,36.08 55.26,36.09 55.31,36.1 55.35,36.12 55.4,36.13 55.44,36.15 55.48,36.17 55.51,36.2 55.55,36.22 55.58,36.25 55.61,36.28 55.64,36.31 55.67,36.34 55.7,36.38 55.73,36.43 55.76,36.47 55.78,36.53 55.81,36.58 55.84,36.64 55.86,36.71 55.89,36.77 55.91,36.84 55.93,36.92 55.98,37.09 56.02,37.27 57.87,45.44 51.65,45.44
(no net) on Bottom: 139.46,49.61 139.4,49.61 139.34,49.61 139.28,49.61 139.22,49.6 139.17,49.59 139.12,49.58 139.07,49.57 139.03,49.56 138.98,49.54 138.94,49.52 138.9,49.5 138.86,49.48 138.82,49.46 138.79,49.43 138.75,49.41 138.72,49.38 138.69,49.35 138.66,49.31 138.64,49.27 138.61,49.23 138.58,49.18 138.55,49.13 138.53,49.08 138.5,49.02 138.48,48.95 138.45,48.88 138.43,48.81 138.4,48.74 138.36,48.57 138.31,48.39 136.47,40.21 142.69,40.21 140.84,48.39 140.82,48.48 140.8,48.57 140.77,48.66 140.75,48.74 140.73,48.81 140.7,48.88 140.68,48.95 140.65,49.02 140.63,49.08 140.6,49.13 140.57,49.18 140.55,49.23 140.52,49.27 140.49,49.31 140.46,49.35 140.43,49.38 140.4,49.41 140.36,49.43 140.33,49.46 140.29,49.48 140.25,49.5 140.21,49.52 140.17,49.54 140.12,49.56 140.07,49.57 140.03,49.58 139.98,49.59 139.92,49.6 139.87,49.61 139.81,49.61 139.76,49.61 139.7,49.61
(no net) on Bottom: outline of 2149 points within 18.36,24.83 176.09,59.83
(no net) on Bottom: -0.09,65.31 230.93,65.33 230.93,62.3 -0.08,62.25
(no net) on Bottom: -0.41,22.4 230.61,22.42 230.61,19.39 -0.4,19.34
col_1 on Top: 17.47,85.41 17.53,39.94 22.28,39.94 22.53,-0.56 -1.22,-0.56 -1.28,85.41
col_2 on Top: 17.53,85.34 36.53,85.34 36.53,39.94 41.28,39.94 41.28,20.94 46.28,20.94 46.28,-1.31 22.53,-1.31 22.28,39.94 17.53,39.94
col_3 on Top: 36.53,85.34 60.53,85.34 60.53,63.69 55.78,63.69 55.78,40.19 60.28,40.19 60.28,20.94 65.28,20.94 65.28,-1.31 46.28,-1.31 46.28,20.94 41.28,20.94 41.28,39.94 36.53,39.94
col_4 on Top: 60.53,85.29 75.03,85.29 74.78,40.34 79.53,40.34 79.53,21.09 84.28,21.09 84.28,-1.16 65.28,-1.16 65.28,21.09 60.28,21.09 60.28,40.34 55.78,40.34 55.78,63.84 60.53,63.84
col_5 on Top: 75.03,85.34 91.63,85.34 91.78,40.19 98.53,40.19 100.77,40.21 100.77,35.51 98.53,35.51 98.53,20.94 97.08,20.94 97.08,-1.06 84.28,-1.31 84.28,20.94 79.53,20.94 79.53,40.19 74.78,40.19
col_6 on Top: 91.63,85.34 98.83,85.34 98.83,72.74 105.23,72.74 105.21,46.91 109.43,46.96 109.4,40.26 91.78,40.19
col_7 on Top: 98.83,85.34 115.03,85.34 115.03,63.74 122.43,63.74 122.43,44.74 127.23,44.74 127.03,21.14 122.23,21.14 122.23,-1.06 97.08,-1.06 97.08,20.94 98.53,20.94 98.53,35.51 100.77,35.51 100.77,40.21 109.4,40.26 109.43,46.96 105.21,46.91 105.23,72.74 98.83,72.74
col_8 on Top: 115.03,85.34 134.23,85.34 134.23,63.74 141.43,63.74 141.43,44.74 146.23,44.74 146.23,20.94 141.43,20.94 141.43,-1.06 122.23,-1.06 122.23,21.14 127.03,21.14 127.23,44.74 122.43,44.74 122.43,63.74 115.03,63.74
col_9 on Top: 134.23,85.34 149.43,85.14 149.43,63.94 160.43,63.94 160.43,44.74 165.23,44.74 165.23,20.94 160.43,20.94 160.43,-1.06 141.43,-1.06 141.43,20.94 146.23,20.94 146.23,44.74 141.43,44.74 141.43,63.74 134.23,63.74
col_10 on Top: 149.53,84.94 174.83,85.14 174.83,63.74 179.63,63.74 179.63,44.74 184.23,44.74 184.23,20.94 179.63,20.94 179.63,-1.06 160.43,-1.06 160.43,20.94 165.23,20.94 165.23,44.74 160.43,44.74 160.43,63.94 149.53,63.74
col_11 on Top: 174.83,85.14 212.83,85.14 213.03,63.94 212.83,44.74 205.94,44.67 205.94,20.87 196.03,21.14 196.03,-0.86 179.63,-1.06 179.63,20.94 184.23,20.94 184.23,44.74 179.63,44.74 179.63,63.74 174.83,63.74
col_12 on Top: 212.83,85.14 232.68,85.36 233.06,44.48 231.27,42.39 231.14,-0.57 196.03,-0.86 196.03,21.14 205.89,21 205.89,44.8 212.83,44.74

## Text on the board
B.Silkscreen: CERN-OHL-P  github.com/weteor/qazikat | reset | boot | underglow connect
F.Silkscreen: swd | swclk | CERN-OHL-P  github.com/weteor/qazikat | reset | boot
